# Altium PCB DevKitWRM1470-r1.2.PcbDoc (part 1 of 2) (continued)
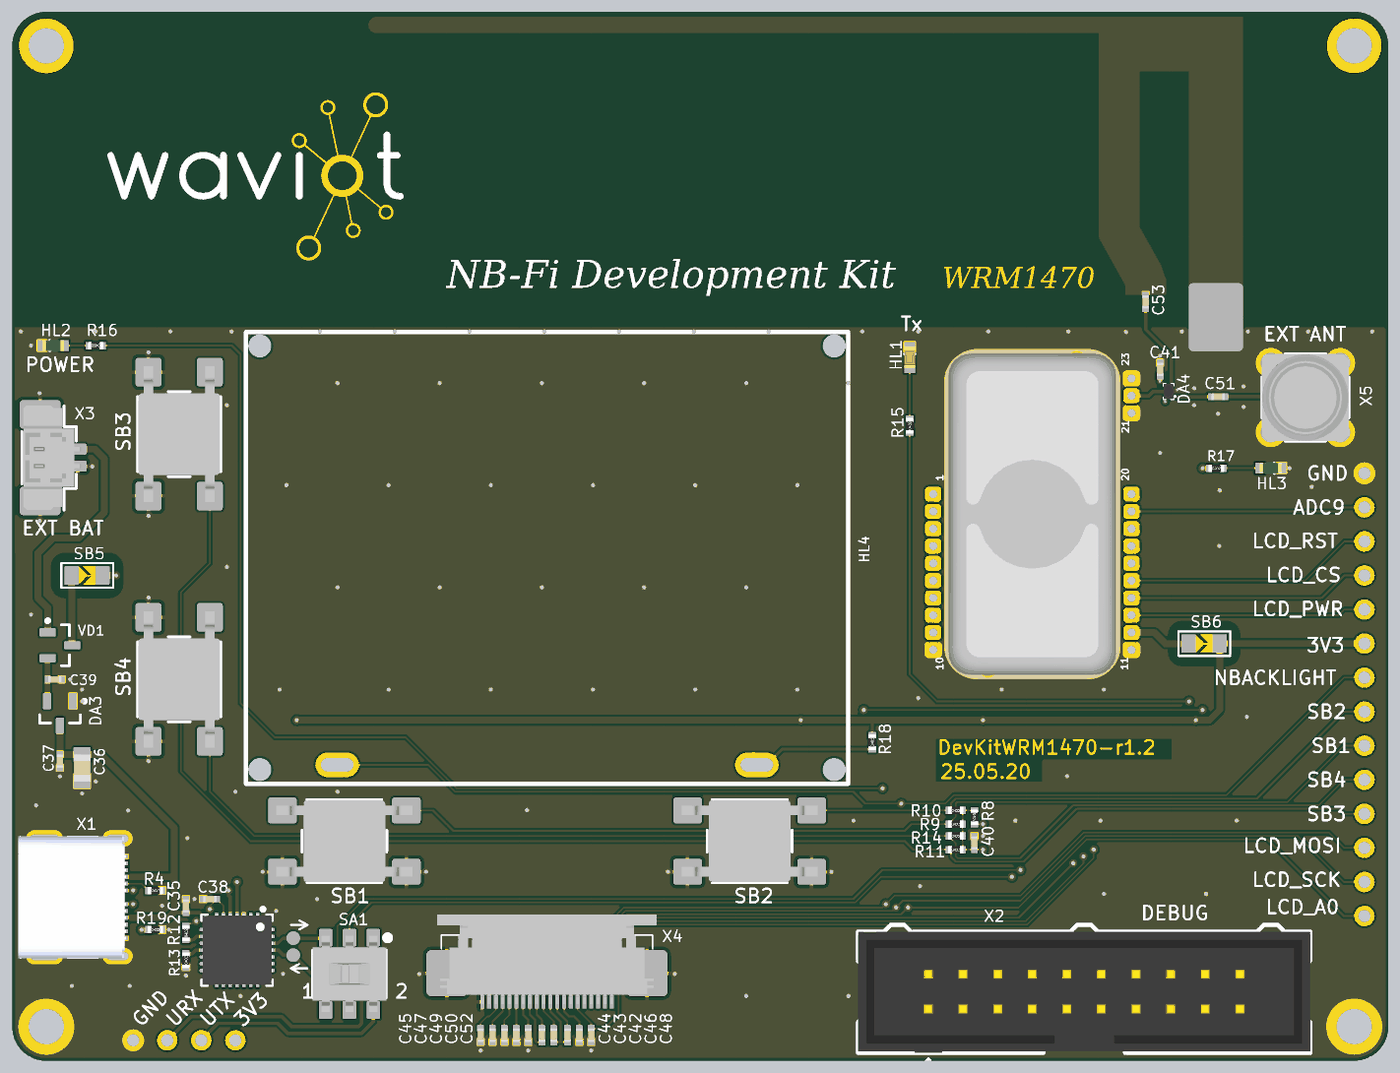
[diagram p5: 3D render of the assembled board from above, using the file's embedded part models]

## Layer stack, top to bottom
Top Solder: solder mask 0.025, SM-004, Dk 4
Top Layer: signal copper 0.018
Dielectric 2: prepreg 0.15, PP-018, Dk 4.3
GND: plane copper 0.018, net GND
Dielectric 1: prepreg 1.2, PP-007, Dk 4.2
PWR: signal copper 0.018
Dielectric4: prepreg 0.15, PP-018, Dk 4.3
Bottom Layer: signal copper 0.018
Bottom Solder: solder mask 0.025, SM-004, Dk 4

## Board outline
-50.5,2.5 -50.505,74.501 -50.5,74.501 cw(c-48,74.501) -48,77.001 -48.005,77.001 48,77.001 48,77.007 cw(c48,74.507) 50.5,74.507 50.5,2.506 cw(c48,2.506) 48,0.006 48,0 -48,0 cw(c-48,2.5)

## Design rules (kind name [scope] priority, off if disabled: settings)
Clearance ClearanceJMP [InComponent('SB5','SB6')] p1: gap=0.2 ignorepadtopadclearanceinfootprint=FALSE except(1: SMDPad-Poly Poly-Region)
Clearance [All] p2: gap=0.1 ignorepadtopadclearanceinfootprint=FALSE except(0.15: Arc-Fill Arc-Poly Arc-Region Track-Fill Track-Poly Track-Region SMDPad-Fill SMDPad-Poly SMDPad-Region THPad-Fill THPad-Poly THPad-Region Via-Fill Via-Poly Via-Region Fill-Fill Fill-Poly Fill-Region Poly-Poly Poly-Region Region-Region)
HoleSize [All] p1: absolutevalues=TRUE maxlimit=5.08 minlimit=0.2 maxpercent=80.000 minpercent=20.000
MinimumSolderMaskSliver [All] p1: minsoldermaskwidth=0.1
NetAntennae [All] p1: netantennaetolerance=1.27
PlaneClearance [All] p1: clearance=0.2
PlaneConnect [All] p1: pad.planeconnectstyle=Relief pad.reliefexpansion=0.508 pad.reliefentries=4 pad.reliefconductorwidth=0.254 pad.reliefairgap=0.254 via.planeconnectstyle=Direct via.reliefexpansion=0.508 via.reliefentries=4 via.reliefconductorwidth=0.254 via.reliefairgap=0.254
PolygonConnect PolygonConnectRelief [HasFootprint('BH20_PCB','0527462071_PCB','FSM4JSMATR','0533980271_PCB','HDR1X1','BH-20_PCB')] p1: thpad.connectstyle=Relief thpad.reliefconductorwidth=0.254 thpad.reliefentries=4 thpad.polygonreliefangle="90 Angle" thpad.airgapwidth=0.254 smdpad.connectstyle=Relief smdpad.reliefconductorwidth=0.254 smdpad.reliefentries=4 smdpad.polygonreliefangle="90 Angle" smdpad.airgapwidth=0.254 via.connectstyle=Direct via.reliefconductorwidth=0.254 via.reliefentries=4 via.polygonreliefangle="90 Angle" via.airgapwidth=0.254
PolygonConnect [All] p2: connectstyle=Direct reliefconductorwidth=0.254 reliefentries=4 polygonreliefangle="90 Angle" airgapwidth=0.254
RoutingVias [All] p1: holewidth=0.3 width=0.6 viastyle="Through Hole" minholewidth=0.2 minwidth=0.4 maxholewidth=0.711 maxwidth=1.27
SilkToSilkClearance [All] p1: silktosilkclearance=0.05
SilkToSolderMaskClearance [IsPad] p1: minsilkscreentomaskgap=0 clearancetoexposedcopper=TRUE
SolderMaskExpansion [All] p1: expansion=0.05 istentingtop=FALSE useseparateexpansions=TRUE expansionbottom=0.05 istentingbottom=FALSE
Width [All] p1: maxlimit=0.5 minlimit=0.1 preferedwidth=0.125
23 further rules are at their usual default settings.

## Classes and differential pairs
component class "NB-Fi Module": C1 C2 C3 C4 C5 C6 C7 C8 C9 C10 C11 C12 C13 C14 C15 C16 C17 C18 C19 C20 C21 C22 C23 C24 C25 C26 C27 C28 C29 C30 C31 C32 C33 C34 D1 DA1 DA2 DD1 E1 E2 L1 L2 L3 L4 L5 L6 L7 L8 L9 L10 R1 R2 R3 R5 R6 R7 VT1 VT2 XT1 XT2 XT3 XT4 XT5 XT6 XT7 XT8 XT9 XT10 XT11 XT12 XT13 XT14 XT15 XT16 XT17 XT18 XT19 XT20 XT21 XT22 XT23 ZQ1 ZQ2
component class DevKitWRM1470-r1.2: C35 C36 C37 C38 C39 C40 C41 C42 C43 C44 C45 C46 C47 C48 C49 C50 C51 C52 C53 DA3 DA4 DD2 HL1 HL2 HL3 HL4 NT1 R4 R8 R9 R10 R11 R12 R13 R14 R15 R16 R17 R18 R19 SA1 SB1 SB2 SB3 SB4 SB5 SB6 VD1 X1 X2 X3 X4 X5 XT24 XT25 XT26 XT27 XT28 XT29 XT30 XT31 XT32 XT33 XT34 XT35 XT36 XT37 XT38 XT39 XT40 XT41

## Components (designator, comment, footprint, x,y, rotation, side; value= is the part's Value field where it differs from the comment)
C1 "1u 16V" C0402 25.75,37 r0 top
C2 "1u 16V" C0402 25.75,37.875 r0 top
C3 "1000p 50V" C0402 28.125,40 r180 top
C4 "0.1u 25V" C0402 19.625,33 r90 top
C5 "0.1u 25V" C0402 24.375,46.25 r270 top
C6 "4.7u 6.3V" C0402 26.875,34.875 r90 top
C7 "0.1u 25V" C0402 28.125,44.75 r180 top
C8 "0.1u 25V" C0402 26.875,33.125 r270 top
C9 "0.1u 25V" C0402 28.125,42.625 r180 top
C10 "0.1u 25V" C0402 25.5,29.75 r0 top
C11 "0.1u 25V" C0402 25.75,38.75 r0 top
C12 "0.1u 25V" C0402 21.25,29.75 r0 top
C13 "0.1u 25V" C0402 20.125,42.75 r0 top
C14 "0.1u 25V" C0402 19.625,34.875 r270 top
C15 "0.1u 25V" C0402 24.375,38.25 r90 top
C16 "4.7u 6.3V" C0402 22,37.875 r270 top
C17 "0.1u 25V" C0402 20.125,41.875 r0 top
C18 "1.2p 50V" C0402 26.375,45.75 r0 top
C19 "0.1u 25V" C0402 20.125,43.625 r0 top
C20 "20p 50V" C0402 27.5,29.75 r180 top
C21 "20p 50V" C0402 26.875,31.125 r270 top
C22 "100p 50V" C0402 21.75,46.25 r90 top
C23 "2.4p 50V" C0402 27.625,46.625 r0 top
C24 "2.4p 50V" C0402 25.75,47.5 r0 top
C25 "100p 50V" C0402 22.625,46.25 r90 top
C26 "2.4p 50V" C0402 28,48 r90 top
C27 "6.2p 50V" C0402 20.875,50 r270 top
C28 "2.4p 50V" C0402 25.75,48.375 r0 top
C29 "3.6p 50V" C0402 23.5,48.125 r270 top
C30 "2.7p 50V" C0402 22.625,50 r90 top
C31 "0.1u 25V" C0402 20.125,40 r180 top
C32 "100p 50V" C0402 25.75,49.25 r180 top
C33 "100p 50V" C0402 27.875,49.75 r0 top
C34 "0.1u 25V" C0402 25.75,50.125 r180 top
C35 "0.1u 25V" C0402 -37.75,11.375 r270 top
C36 "10u 25V" C0805 -45.375,21.5 r270 top
C37 "0.1u 25V" C0402 -47,22 r90 top
C38 "0.1u 25V" C0402 -36,11.875 r0 top
C39 "0.1u 25V" C0402 -47.375,28 r180 top
C40 "0.1u 25V" C0402 20.125,16 r270 top
C41 "0.1u 25V" C0402 33.75,50.75 r270 top
C42 "1u 16V" C0402 -9.75,1.875 r90 top
C43 "1u 16V" C0402 -10.75,1.875 r90 top
C44 "1u 16V" C0402 -11.625,1.875 r270 top
C45 "1u 16V" C0402 -16.125,1.875 r90 top
C46 "1u 16V" C0402 -8.875,1.875 r90 top
C47 "1u 16V" C0402 -15.25,1.875 r90 top
C48 "1u 16V" C0402 -8,1.875 r90 top
C49 "1u 16V" C0402 -14.375,1.875 r90 top
C50 "1u 16V" C0402 -13.5,1.875 r90 top
C51 "100p 50V" C0402 38,48.75 r0 top
C52 "1u 16V" C0402 -12.625,1.875 r90 top
C53 "3.6p 50V" C0402 32.692,55.709 r90 top
D1 "SWS1470-A0 QFN32" QFN32 24.125,42.25 r0 top
DA1 "NCP502SQ18T2G" SOT323-5 28.5,35.75 r0 top
DA2 "BGS12WN6E6327XTSA1" 6-XFDFN 24,49.75 r90 top
DA3 "AP2210N-3.3TRG1" SOT23-3L -47,25.5 r180 top
DA4 "BGS12WN6E6327XTSA1" 6-XFDFN 34.375,49.125 r180 top
DD1 "STM32L071KBU6" UFQFPN32 23.25,33.375 r180 top locked
DD2 "CP2102-GMR" QFN28 -34,8.125 r270 top
E1 "MS230-10F" MS230-10F 24.375,40.125 r0 top locked
E2 "MS230-10C" MS230-10C 24.375,40.125 r0 top
HL1 "KP-1608SURCK" LED0603_RED 15.375,51.625 r90 top
HL2 "KPH-1608SGD" LED0603_GREEN -47.5,52.5 r180 top
HL3 "KPH-1608SGD" LED0603_GREEN 41.875,43.5 r0 top
HL4 "JHD12864" JHD12864 -11.25,36.925 r0 top locked
L1 "82nH" L0402_LQW 25.75,46.625 r180 top
L2 "82nH" L0402_LQW 28.25,45.75 r180 top
L3 "82nH" L0402_LQW 20.625,45 r270 top
L4 "82nH" L0402_LQW 23.5,46.25 r270 top
L5 "12nH" L0402_LQW 21.75,48.125 r90 top
L6 "8.2nH" L0402_LQW 27.125,48 r90 top
L7 "8.2nH" L0402_LQW 28.875,48 r270 top
L8 "12nH" L0402_LQW 22.625,48.125 r90 top
L9 "12nH" L0402_LQW 21.75,50 r90 top
L10 "12nH" L0402_LQW 24.375,48.125 r90 top
NT1 "Net Tie" NETTIE-5.0x4.0 37.842,54.584 r270 top locked net-tie
R1 "10k 1%" R0402 19.625,31.125 r90 top
R2 "1M 1%" R0402 28.125,41.75 r180 top
R3 "1M 1%" R0402 28.125,40.875 r180 top
R4 "5.1k 1%" R0402 -40,12.5 r0 top
R5 "1k 1%" R0402 23.375,29.75 r0 top
R6 "1R 1%" R0402 20.125,40.875 r180 top
R7 "1k 1%" R0402 19.625,45 r270 top
R8 "10k 1%" R0402 20.125,17.875 r270 top
R9 "100R 1%" R0402 18.75,17.375 r0 top
R10 "3.3k 1%" R0402 18.75,18.375 r0 top
R11 "10k 1%" R0402 18.75,15.5 r0 top
R12 "10k 1%" R0402 -37.75,9.375 r90 top
R13 "10k 1%" R0402 -37.75,7.375 r90 top
R14 "33k 1%" R0402 18.75,16.5 r0 top
R15 "1k 1%" R0402 15.375,46.625 r90 top
R16 "1k 1%" R0402 -44.375,52.5 r180 top
R17 "1k 1%" R0402 37.875,43.5 r0 top
R18 "22R 1%" R0402 12.625,23.375 r90 top
R19 "5.1k 1%" R0402 -40,9.625 r0 top
SA1 "CAS-220TB" CAS-220 -25.75,6.375 r180 top locked
SB1 "FSM4JSMATR" FSM4JSMATR -26.125,16.125 r270 top locked
SB2 "FSM4JSMATR" FSM4JSMATR 3.625,16.125 r270 top locked
SB3 "FSM4JSMATR" FSM4JSMATR -38.25,46 r180 top locked
SB4 "FSM4JSMATR" FSM4JSMATR -38.25,28 r180 top locked
SB5 "Jumper Solder" SB0805 -45,35.625 r0 top
SB6 "Jumper Solder" SB0805 37,30.625 r0 top
VD1 "PMEG2005CT" SOT23-3L -47,30.5 r270 top
VT1 "PMF170XP" SOT323 20.25,37.875 r180 top
VT2 "PDTC143ZE" SOT416 20.125,47.5 r0 top
X1 "1054500101" 1054500101 -46.125,12 r270 top locked
X2 "BH-20" BH-20_PCB 28.177,5.079 r0 top locked
X3 "0533980271" 0533980271_PCB -47.075,44.276 r270 top locked
X4 "0527462071" 0527462071_PCB -11.25,5.375 r180 top locked
X5 "5-1814832-1" 5-1814832-1 44.417,48.684 r0 top locked
XT1 "PA11" PAD-d0.6-x1.1-y1.2 17.1,41.595 r0 top locked
XT2 "PA12" PAD-d0.6-x1.1-y1.2 17.1,40.325 r0 top locked
XT3 "TM3_2" PAD-d0.6-x1.1-y1.2 17.1,39.055 r180 top locked
XT4 "TM3_1" PAD-d0.6-x1.1-y1.2 17.1,37.785 r180 top locked
XT5 "SCL" PAD-d0.6-x1.1-y1.2 17.1,36.515 r180 top locked
XT6 "SDA" PAD-d0.6-x1.1-y1.2 17.1,35.245 r180 top locked
XT7 "WDIO" PAD-d0.6-x1.1-y1.2 17.1,33.975 r0 top locked
XT8 "WCLK" PAD-d0.6-x1.1-y1.2 17.1,32.705 r0 top locked
XT9 "NRST" PAD-d0.6-x1.1-y1.2 17.1,31.435 r180 top locked
XT10 "GND" PAD-d0.6-x1.1-y1.2 17.1,30.165 r180 top locked
XT11 "GND" PAD-d0.6-x1.1-y1.2 31.65,30.165 r0 top locked
XT12 "VCC" PAD-d0.6-x1.1-y1.2 31.65,31.435 r180 top locked
XT13 "PB7" PAD-d0.6-x1.1-y1.2 31.65,32.705 r0 top locked
XT14 "CMP_N" PAD-d0.6-x1.1-y1.2 31.65,33.975 r0 top locked
XT15 "CMP_P" PAD-d0.6-x1.1-y1.2 31.65,35.245 r0 top locked
XT16 "U_TX" PAD-d0.6-x1.1-y1.2 31.65,36.515 r0 top locked
XT17 "U_RX" PAD-d0.6-x1.1-y1.2 31.65,37.785 r0 top locked
XT18 "ADC8" PAD-d0.6-x1.1-y1.2 31.65,39.055 r180 top locked
XT19 "ADC9" PAD-d0.6-x1.1-y1.2 31.65,40.325 r0 top locked
XT20 "RXNEN" PAD-d0.6-x1.1-y1.2 31.65,41.595 r180 top locked
XT21 "GND" PAD-d0.6-x1.1-y1.2 31.65,47.545 r0 top locked
XT22 "ANT" PAD-d0.6-x1.1-y1.2 31.65,48.815 r0 top locked
XT23 "GND" PAD-d0.6-x1.1-y1.2 31.65,50.085 r180 top locked
XT24 "3V3" PAD-d0.9-x1.5-y1.5 -34.125,1.5 r90 top
XT25 "URX" PAD-d0.9-x1.5-y1.5 -39.125,1.5 r90 top
XT26 "UTX" PAD-d0.9-x1.5-y1.5 -36.625,1.5 r90 top
XT27 "GND" PAD-d0.9-x1.5-y1.5 -41.625,1.5 r90 top
XT28 "GND" PAD-d0.9-x1.5-y1.5 48.75,43.125 r180 top
XT29 "ADC9" PAD-d0.9-x1.5-y1.5 48.75,40.625 r180 top
XT30 "LCD_RST" PAD-d0.9-x1.5-y1.5 48.75,38.125 r180 top
XT31 "LCD_PWR" PAD-d0.9-x1.5-y1.5 48.75,33.125 r180 top
XT32 "3V3" PAD-d0.9-x1.5-y1.5 48.75,30.625 r180 top
XT33 "LCD_CS" PAD-d0.9-x1.5-y1.5 48.75,35.625 r180 top
XT34 "NBACKLIGHT" PAD-d0.9-x1.5-y1.5 48.75,28.125 r180 top
XT35 "SB2" PAD-d0.9-x1.5-y1.5 48.75,25.625 r180 top
XT36 "SB1" PAD-d0.9-x1.5-y1.5 48.75,23.125 r180 top
XT37 "SB4" PAD-d0.9-x1.5-y1.5 48.75,20.625 r180 top
XT38 "SB3" PAD-d0.9-x1.5-y1.5 48.75,18.125 r180 top
XT39 "LCD_MOSI" PAD-d0.9-x1.5-y1.5 48.75,15.625 r180 top
XT40 "LCD_SCK" PAD-d0.9-x1.5-y1.5 48.75,13.125 r180 top
XT41 "LCD_A0" PAD-d0.9-x1.5-y1.5 48.75,10.625 r180 top
ZQ1 "26MHz 2ppm" QSMD2.0x1.6x0.7 28.125,38.5 r0 top
ZQ2 "32.768 kHz" QSMD3.2X1.5X0.8 28.375,32.125 r90 top

## Footprints (in the part's own frame and the unit in brackets; to place one, negate y for a bottom-side part, rotate by r counter-clockwise, add the part's x,y. Pads: shape width x height; smd on the part's side, far side on the other; paste and mask are expansions set on the pad)
5-1814832-1 [mm]
  round 2.1 hole 1.5: 1(0,0) 2(-2.54,-2.54) 2(-2.54,2.54) 2(2.54,-2.54) 2(2.54,2.54)
  silkscreen extent -3.2,-3.2 3.2,3.2, body extent -3.2,-3.2 3.2,3.2, height 9.55
6-XFDFN [mm] "QFN, 10-Leads, Body 1,15x1,55mm, Pitch 0,4mm"
  rrect25% 0.2x0.2 smd: 1(-0.2,0.4) 2(-0.2,0) 3(-0.2,-0.4) 4(0.2,-0.4) 5(0.2,0) 6(0.2,0.4)
  silkscreen extent -0.52,-0.57 0.37,0.57, body extent -0.35,-0.55 0.35,0.55, height 0.38
0527462071_PCB [mm] "20POS 0.50MM CONN FFC"
  rrect25% 0.3x1 smd mask+0.05: 1(-4.75,1.05) 2(-4.25,1.05) 3(-3.75,1.05) 4(-3.25,1.05) 5(-2.75,1.05) 6(-2.25,1.05) 7(-1.75,1.05) 8(-1.25,1.05) 9(-0.75,1.05) 10(-0.25,1.05) 11(0.25,1.05) 12(0.75,1.05) 13(1.25,1.05) 14(1.75,1.05) 15(2.25,1.05) 16(2.75,1.05) 17(3.25,1.05) 18(3.75,1.05) 19(4.25,1.05) 20(4.75,1.05)
  rrect25% 3x3.4 smd mask+0.05: 21(-7.35,-1.05) 21(7.35,-1.05)
  silkscreen extent -7.75,-3.85 7.75,0.45, body extent -8.05,-5.37 8.05,1.23, height 2
0533980271_PCB [mm] "SMD 2POS 1.25MM"
  rrect25% 0.8x1.3 smd mask+0.05: 1(-0.625,1.375) 2(0.625,1.375)
  rrect25% 2.1x3 smd mask+0.05: 3(-3.175,-1.375) 3(3.175,-1.375)
  silkscreen extent -3.8,-2.73 3.85,1.28, body extent -3.83,-2.58 3.83,1.62, height 4.6
1054500101 [mm] "CONN RCP USB3.1 TYPEC 24P SMD RA"
  rect 0.3x0.7 smd: A1(-3,3.77) A2(-2.5,3.77) A3(-2,3.77) A4(-1.5,3.77) A5(-1,3.77) A6(-0.5,3.77) A7(0.5,3.77) A8(1,3.77) A9(1.5,3.77) A10(2,3.77) A11(2.5,3.77) A12(3,3.77) B2(2.25,2.47) B3(1.75,2.47) B4(1.25,2.47) B5(0.75,2.47) B6(0.25,2.47) B7(-0.25,2.47) B8(-0.75,2.47) B9(-1.25,2.47) B10(-1.75,2.47) B11(-2.25,2.47)
  rect 1x0.7 smd: B1(3.1,2.47) B12(-3.1,2.47)
  oval 1.1x2.1 hole 0.6 slot 1.6 at 90 deg: S1(-4.32,3.36) S1(4.32,3.36)
  oval 1.1x2.6 hole 0.6 slot 2.1 at 90 deg: S2(-4.32,-2) S2(4.32,-2)
  Top Layer keep-out region: -3.5,-3.773 3.5,-3.773 3.5,1.88 -3.5,1.88
  silkscreen extent -4.47,-3.77 4.47,1.9, body extent -4.47,-3.94 4.47,3.96, height 3.22
BH-20_PCB [mm]
  rrect25% 1.6x1.6 hole 1.02: 1(-11.43,-1.27)
  round 1.6 hole 1.02: 2(-11.43,1.27) 3(-8.89,-1.27) 4(-8.89,1.27) 5(-6.35,-1.27) 6(-6.35,1.27) 7(-3.81,-1.27) 8(-3.81,1.27) 9(-1.27,-1.27) 10(-1.27,1.27) 11(1.27,-1.27) 12(1.27,1.27) 13(3.81,-1.27) 14(3.81,1.27) 15(6.35,-1.27) 16(6.35,1.27) 17(8.89,-1.27) 18(8.89,1.27) 19(11.43,-1.27) 20(11.43,1.27)
  silkscreen extent -16.6,-5.71 16.6,4.9, body extent -16.6,-4.5 16.6,4.4, height 9
C0402 [mm] "Chip Capacitor 0402"
  rrect10% 0.5x0.5 smd: 1(-0.5,0) 2(0.5,0)
  Top Layer pour cut-out: -0.15,0.35 0.15,0.35 0.15,-0.35 -0.15,-0.35
  body extent -0.5,-0.25 0.5,0.25, height 0.5
C0805 [mm] "Chip Capacitor 0805"
  rrect10% 1.1x1.25 smd: 1(-0.975,0) 2(0.975,0)
  Top Layer pour cut-out: -0.4,0.7 0.4,0.7 0.4,-0.7 -0.4,-0.7
  body extent -1,-0.62 1,0.62, height 1
CAS-220 [mm]
  rrect20% 1x1.3 smd: 1(-1.75,-2.65) 2(0,-2.65) 3(1.75,-2.65) 4(-1.75,2.65) 5(0,2.65) 6(1.75,2.65)
  silkscreen extent -3,-2.85 2.7,1.75, body extent -2.7,-2.8 2.7,2.8, height 2.5
FSM4JSMATR [mm]
  rrect20% 1.9x2.1 smd: 1(-2.25,4.55) 2(-2.25,-4.55) 3(2.25,-4.55) 4(2.25,4.55)
  silkscreen extent -3.05,-3.12 3.05,3.12, body extent -3,-5 3,5, height 4.36
JHD12864 [mm]
  oval 3.2x1.8 hole 1 slot 2.4 at 0 deg: A(15.4,-15.2) K(-15.4,-15.2)
  round 0 hole 1.7 unplated: ""(-21.08,-15.55) ""(-21.08,15.55) ""(21.08,-15.55) ""(21.08,15.55)
  silkscreen extent -22.1,-16.6 22.1,16.58, body extent -22.1,-16.6 22.1,16.58, height 4
L0402_LQW [mm] "Chip Inductor 0402"
  rrect10% 0.53x0.55 smd: 1(-0.5,0) 2(0.5,0)
  body extent -0.59,-0.32 0.6,0.32, height 0.65
LED0603_GREEN [mm]
  rrect10% 0.7x0.8 smd mask+0.075: 1(-0.8,0) 2(0.8,0)
  silkscreen extent 0.25,-0.38 0.25,0.38, body extent -0.8,-0.4 0.8,0.4, height 0.39
LED0603_RED [mm]
  rrect10% 0.7x0.8 smd mask+0.075: 1(-0.8,0) 2(0.8,0)
  Top Layer pour cut-out: -0.35,0.55 0.35,0.55 0.35,-0.55 -0.35,-0.55
  silkscreen extent 0.25,-0.38 0.25,0.38, body extent -0.8,-0.4 0.8,0.4, height 0.39
MS230-10C [mm] "RF SHIELD"
  body extent -5.85,-11.5 5.85,11.5, height 3
MS230-10F [mm] "RF SHIELD"
  oval 1.3x1 hole 1 slot 1.3 at 0 deg: 1(-3.25,-11.35) 1(3.25,11.35)
  body extent -6.45,-12.1 6.45,12.1, height 16.85
NETTIE-5.0x4.0 [mm]
  rrect25% 2.8x4 smd mask+0.075: 1(-1.1,0) 2(1.1,0)
PAD-d0.6-x1.1-y1.2 [mm]
  rrect50% 1.2x1.1 / inner rrect50% 1.1x1.1 / far side rrect50% 2x1.1 hole 0.6 mask+0.05: 1(0,0)
PAD-d0.9-x1.5-y1.5 [mm]
  round 1.5 hole 0.9: 1(0,0)
QFN28 [mm] "QFN, 28-Leads, Body 5,00x5,00mm, Pitch 0,50mm, Thermal Pad 3,5x3,5mm"
  rrect50% 0.7x0.25 smd: 1(-2.4,1.5) 2(-2.4,1) 3(-2.4,0.5) 4(-2.4,0) 5(-2.4,-0.5) 6(-2.4,-1) 7(-2.4,-1.5) 15(2.4,-1.5) 16(2.4,-1) 17(2.4,-0.5) 18(2.4,0) 19(2.4,0.5) 20(2.4,1) 21(2.4,1.5)
  rrect50% 0.25x0.7 smd: 8(-1.5,-2.4) 9(-1,-2.4) 10(-0.5,-2.4) 11(0,-2.4) 12(0.5,-2.4) 13(1,-2.4) 14(1.5,-2.4) 22(1.5,2.4) 23(1,2.4) 24(0.5,2.4) 25(0,2.4) 26(-0.5,2.4) 27(-1,2.4) 28(-1.5,2.4)
  rrect5% 2x2 smd mask+0.05: 29(0,0)
  Top Layer region: -1.75,1.5 -1.5,1.75 1.7,1.75 1.75,1.7 1.75,-1.7 1.7,-1.75 -1.7,-1.75 -1.75,-1.7
  silkscreen extent -3.12,-2.6 2.6,2.6, body extent -2.6,-2.6 2.6,2.6, height 1
QFN32 [mm] "QFN, 32-Leads, Body 5,00x5,00mm, Pitch 0,50mm, Thermal Pad 3,5x3,5mm"
  rrect50% 0.7x0.25 smd: 1(-2.4,1.75) 2(-2.4,1.25) 3(-2.4,0.75) 4(-2.4,0.25) 5(-2.4,-0.25) 6(-2.4,-0.75) 7(-2.4,-1.25) 8(-2.4,-1.75) 17(2.4,-1.75) 18(2.4,-1.25) 19(2.4,-0.75) 20(2.4,-0.25) 21(2.4,0.25) 22(2.4,0.75) 23(2.4,1.25) 24(2.4,1.75)
  rrect50% 0.25x0.7 smd: 9(-1.75,-2.4) 10(-1.25,-2.4) 11(-0.75,-2.4) 12(-0.25,-2.4) 13(0.25,-2.4) 14(0.75,-2.4) 15(1.25,-2.4) 16(1.75,-2.4) 25(1.75,2.4) 26(1.25,2.4) 27(0.75,2.4) 28(0.25,2.4) 29(-0.25,2.4) 30(-0.75,2.4) 31(-1.25,2.4) 32(-1.75,2.4)
  rrect5% 2x2 smd mask+0.05: 33(0,0)
  Top Layer region: -1.75,1.5 -1.5,1.75 1.7,1.75 1.75,1.7 1.75,-1.7 1.7,-1.75 -1.7,-1.75 -1.75,-1.7
  silkscreen extent -3.17,-2.6 2.6,2.6, body extent -2.5,-2.5 2.5,2.5, height 0.94
QSMD2.0x1.6x0.7 [mm]
  rrect25% 0.95x0.8 smd: 1(-0.675,-0.525) 2(0.675,-0.525) 3(0.675,0.525) 4(-0.675,0.525)
  silkscreen extent -1.15,-1.32 0.08,0.85, body extent -1.05,-0.85 1.05,0.85, height 0.56
QSMD3.2X1.5X0.8 [mm]
  rrect25% 1x1.8 smd: 1(-1.25,0) 3(1.25,0)
  silkscreen extent -0.6,-0.9 0.6,0.9, body extent -1.6,-0.75 1.6,0.75, height 0.71
R0402 [mm] "Chip Resistor 0402"
  rrect10% 0.5x0.55 smd: 1(-0.5,0) 2(0.5,0)
  Top Layer pour cut-out: -0.15,0.375 0.15,0.375 0.15,-0.375 -0.15,-0.375
  body extent -0.57,-0.27 0.57,0.27, height 0.41
SB0805 [mm] "Solder Jumper 0805"
  rrect10% 1.05x1.35 smd: 1(-1.15,0) 2(1.125,0)
  Top Layer region: -1.6,0.675 -0.625,0.675 0.05,0 -0.625,-0.675 -1.6,-0.675
  Top Layer region: 1.55,0.675 -0.325,0.675 0.35,0 -0.325,-0.675 1.55,-0.675
  silkscreen extent -1.9,-0.9 1.9,0.9
SOT23-3L [mm] "SOT23, 3-Leads, Body 2.9x1.3mm, Pitch 0.95mm, Lead Span 2.5mm, IPC High Density"
  rrect25% 0.6x1.2 smd: 1(-0.95,-0.9) 2(0.95,-0.9) 3(0,0.9)
  silkscreen extent -1.92,-1.02 1.5,0.7, body extent -1.45,-1.4 1.45,1.4, height 1.3
SOT323 [mm] "SOT323, 3-Leads, Body 2,00x2,10mm, Pitch 0,65mm, IPC Medium Density"
  rrect25% 0.55x0.8 smd: 1(-0.65,-1.075) 2(0.65,-1.075) 3(0,1.075)
  silkscreen extent -1.32,-1.17 1.1,0.67, body extent -1.1,-1.15 1.1,1.15, height 1.1
SOT323-5 [mm] "SOT323, 5-Leads, Body 2,00x2,10mm, Pitch 0,65mm, IPC Medium Density"
  rrect25% 0.4x0.8 smd: 1(-0.65,-1.075) 2(0,-1.075) 3(0.65,-1.075) 4(0.65,1.075) 5(-0.65,1.075)
  silkscreen extent -1.25,-1.17 1.1,0.3, body extent -1.1,-1.1 1.1,1.1, height 1.1
SOT416 [mm] "SOT416, 3-Leads, Body 1,60x0,80mm, Pitch 0,50mm"
  rrect25% 0.5x0.6 smd: 1(-0.5,-0.65) 2(0.5,-0.65) 3(0,0.65)
  silkscreen extent -1.07,-0.72 0.85,0.4, body extent -0.8,-0.8 0.8,0.8, height 0.78
UFQFPN32 [mm] "QFN, 32-Leads, Body 5,00x5,00mm, Pitch 0,50mm, Thermal Pad 3,50x3,50mm, IPC Medium Density"
  oval 0.9x0.25 smd: 1(-2.4,1.75) 2(-2.4,1.25) 3(-2.4,0.75) 4(-2.4,0.25) 5(-2.4,-0.25) 6(-2.4,-0.75) 7(-2.4,-1.25) 8(-2.4,-1.75) 17(2.4,-1.75) 18(2.4,-1.25) 19(2.4,-0.75) 20(2.4,-0.25) 21(2.4,0.25) 22(2.4,0.75) 23(2.4,1.25) 24(2.4,1.75)
  oval 0.25x0.9 smd: 9(-1.75,-2.4) 10(-1.25,-2.4) 11(-0.75,-2.4) 12(-0.25,-2.4) 13(0.25,-2.4) 14(0.75,-2.4) 15(1.25,-2.4) 16(1.75,-2.4) 25(1.75,2.4) 26(1.25,2.4) 27(0.75,2.4) 28(0.25,2.4) 29(-0.25,2.4) 30(-0.75,2.4) 31(-1.25,2.4) 32(-1.75,2.4)
  rrect10% 3.5x3.5 smd: 33(0,0)
  silkscreen extent -3.3,-2.7 2.7,2.7, body extent -2.6,-2.6 2.6,2.6, height 0.6

## Part data
C1 C2 C42 C43 C44 C45 C46 C47 C48 C49 C50 C52: library part CC0402KRX5R7BB105, "CAP CER 1UF 16V X5R 0402", PartNumber=CC0402KRX5R7BB105
C3: library part CC0402JRX7R9BB102, "CAP CER 1000PF 50V X7R 0402", PartNumber=CC0402JRX7R9BB102
C4 C5 C7 C8 C9 C10 C11 C12 C13 C14 C15 C17 C19 C31 C34 C35 C37 C38 C39 C40 C41: library part CC0402KRX7R8BB104, "CAP CER 0.1UF 25V X7R 0402", PartNumber=CC0402KRX7R8BB104
C6 C16: library part CC0402KRX5R5BB475, "CAP CER 4.7UF 6.3V X5R 0402", PartNumber=CC0402KRX5R5BB475
C18: library part CC0402BRNPO9BN1R2, "CAP CER 1.2PF 50V C0G/NPO 0402", PartNumber=CC0402BRNPO9BN1R2
C20 C21: library part CC0402JRNPO9BN200, "CAP CER 20PF 50V C0G/NPO 0402", PartNumber=CC0402JRNPO9BN200
C22 C25 C32 C33 C51: library part CC0402JRNPO9BN101, "CAP CER 100PF 50V C0G/NPO 0402", PartNumber=CC0402JRNPO9BN101
C23 C24 C26 C28: library part CC0402BRNPO9BN2R4, "CAP CER 2.4PF 50V NPO 0402", PartNumber=CC0402BRNPO9BN2R4
C27: library part CC0402CRNPO9BN6R2, "CAP CER 6.2PF 50V NPO 0402", PartNumber=CC0402CRNPO9BN6R2
C29 C53: library part CC0402BRNPO9BN3R6, "CAP CER 3.6PF 50V NPO 0402", PartNumber=CC0402BRNPO9BN3R6
C30: library part CC0402BRNPO9BN2R7, "CAP CER 2.7PF 50V C0G/NPO 0402", PartNumber=CC0402BRNPO9BN2R7
C36: library part CL21A106KAFN3NE, "CAP CER 10UF 25V X5R 0805", PartNumber=CL21A106KAFN3NE
D1: "Waviot NB-Fi RF Transceiver QFN32", PartNumber="SWS1470-A0 QFN32"
DA1: "IC REG LINEAR 1.8V 80MA SC88A", PartNumber=NCP502SQ18T2G
DA2 DA4: "RF Switch IC WLAN SPDT 50Ohm PG-TSNP-6-10", PartNumber=BGS12WN6E6327XTSA1
DA3: "IC REG LINEAR 3.3V 300MA SOT23-3", PartNumber=AP2210N-3.3TRG1
DD1: "ARM® Cortex®-M0+ STM32L0 Microcontroller IC 32-Bit 32MHz 128KB (128K x 8) FLASH 32-UFQFPN (5x5)", PartNumber=STM32L071KBU6
DD2: "IC USB-TO-UART BRIDGE 28VQFN", PartNumber=CP2102-GMR
E1: "RF SHLD FRAME 0.461\"X0.906\" SLDR", PartNumber=MS230-10F
E2: "RF SHIELD 0.461\"X0.906\" SNAP FIT", PartNumber=MS230-10C
HL1: "LED Red 0603 1.95V Forward voltage typ.", PartNumber=KP-1608SURCK
HL2 HL3: "Led Green 0603 2.2V Forward voltage typ.", PartNumber=KPH-1608SGD
HL4: "Display Graphical with LED-backlight", PartNumber=JHD12864
L1 L2 L3 L4: library part LQW15AN82NG00D, "FIXED IND 82NH 130MA 2.24 OHM", PartNumber=LQW15AN82NG00D
L5 L8 L9 L10: library part LQW15AN12NG00D, "FIXED IND 12NH 500MA 140 MOHM", PartNumber=LQW15AN12NG00D
L6 L7: library part LQW15AN8N2G00D, "FIXED IND 8.2NH 540MA 140 MOHM", PartNumber=LQW15AN8N2G00D
NT1: library part NT-1, "PCB Net Tie"
R1 R8 R11 R12 R13: library part RC0402FR-0710KL, "RES SMD 10K OHM 1% 1/16W 0402", PartNumber=RC0402FR-0710KL
R2 R3: library part RC0402FR-071ML, "RES SMD 1M OHM 1% 1/16W 0402", PartNumber=RC0402FR-071ML
R4 R19: library part RC0402FR-075K1L, "RES SMD 5.1K OHM 1% 1/16W 0402", PartNumber=RC0402FR-075K1L
R5 R7 R15 R16 R17: library part RC0402FR-071KL, "RES SMD 1K OHM 1% 1/16W 0402", PartNumber=RC0402FR-071KL
R6: library part RC0402FR-071RL, "RES SMD 1 OHM 1% 1/16W 0402", PartNumber=RC0402FR-071RL
R9: library part RC0402FR-07100RL, "RES SMD 100 OHM 1% 1/16W 0402", PartNumber=RC0402FR-07100RL
R10: library part RC0402FR-073K3L, "RES SMD 3.3K OHM 1% 1/16W 0402", PartNumber=RC0402FR-073K3L
R14: library part RC0402FR-0733KL, "RES SMD 33K OHM 1% 1/16W 0402", PartNumber=RC0402FR-0733KL
R18: library part RC0402FR-0722RL, "RES SMD 22 OHM 1% 1/16W 0402", PartNumber=RC0402FR-0722RL
SA1: "SWITCH SLIDE DPDT 100MA 6V", PartNumber=CAS-220TB
SB1 SB2 SB3 SB4: "SWITCH TACTILE SPST-NO 0.05A 24V", PartNumber=FSM4JSMATR
SB5 SB6: library part JS_0805, "Jumper Solder 0805"
VD1: "DIODE ARRAY SCHOTTKY 20V SOT23", PartNumber=PMEG2005CT
VT1: "MOSFET P-CH 20V 1A SOT323", PartNumber=PMF170XP
VT2: "SMALL SIGNAL BIPOLAR TRANSISTOR", PartNumber=PDTC143ZE
X1: "CONN RCP USB3.1 TYPEC 24P SMD RA", ComponentLink1Description=Datasheet, ComponentLink1URL=https://www.molex.com/pdm_docs/ps/PS-105448-001.pdf, ComponentLink2Description=Drawing, ComponentLink2URL=https://www.molex.com/pdm_docs/sd/1054500101_sd.pdf, PartNumber=1054500101
X2: "CONN MALE 20POS 2.54 (IDC-20MS)", PartNumber=BH-20
X3: "CONN HEADER SMD 2POS 1.25MM", PartNumber=0533980271
X4: "CONN FFC BOTTOM 20POS 0.50MM R/A", PartNumber=0527462071
X5: "CONN SMA JACK STR 50 OHM PCB", PartNumber=5-1814832-1
XT1 XT2 XT3 XT4 XT5 XT6 XT7 XT8 XT9 XT10 XT11 XT12 XT13 XT14 XT15 XT16 XT17 XT18 XT19 XT20 XT21 XT22 XT23 XT24 XT25 XT26 XT27 XT28 XT29 XT30 XT31 XT32 XT33 XT34 XT35 XT36 XT37 XT38 XT39 XT40 XT41: library part PIN
ZQ1: library part NT2016SA-26.000000MHZ-NBG2, "TCXO Oscillator 4-pin", PartNumber=NT2016SA-26.000000MHZ-NBG2
ZQ2: library part NX3215SA-32.768K-EXS00A, "CRYSTAL 32.768KHZ 12.5PF SMD", PartNumber=NX3215SA-32.768K-EXS00A

## Free pads (board coordinates)
  round 1 smd mask+0: 1(-29.875,7.75) 1(-29.875,9)

## Via types
v1: diameter 0.6, hole 0.3, Top Layer to Bottom Layer, tented both sides, 173 vias
v2: diameter 0.4, hole 0.2, Top Layer to Bottom Layer, tented both sides, 113 vias
v3: diameter 4, hole 2.6, Top Layer to Bottom Layer, 4 vias

## Nets (pads, with @x,y where several pads share a name; then routed paths per layer and width w, separated by ;. In a path a pad name is that pad's centre, name@x,y a point inside that pad or via, vN(x,y) a via of type N, cw(c..) or ccw(c..) an arc to the next point about the centre after c; other vN are vias at no path point)
+5V: C35.2 C36.1 C37.2 DA3.3 DD2.7 DD2.8 X1.A4 X1.A9 X1.B4 X1.B9 | length 33.5
  Top Layer w0.25: -38.625,10.875 C35.2@-37.75,10.875 -36.725,10.875 -36.375,10.525 ; DD2.8@-36.4,9.625 -36.375,9.625 -36.375,10.525 ; DD2.7@-35.5,10.525 -36.375,10.525
  Top Layer w0.3: X1.B4@-43.655,10.75 -43.125,10.75 -42.875,10.5 X1.A9@-42.375,10.5 ; X1.B9@-43.655,13.25 -43.125,13.25 -42.875,13.5 X1.A4@-42.375,13.5 ; X1.A9@-42.355,10.5 -41.75,10.5 ; X1.A4@-42.355,13.5 -41.75,13.5
  Top Layer w0.5: C37.2@-47,22.475 C36.1@-45.375,22.475 -43.975,22.475 -38.625,17.125 -38.625,10.875 -39,10.5 -41.75,10.5 ; C37.2@-47,22.5 DA3.3@-47,24.6 ; -41.75,13.5 -38.625,13.5
ADC8: C40.2 DD1.14 R8.1 R9.2 R10.2 R11.2 R14.2 XT18.1 | length 57.3
  Top Layer w0.125: R8.1@20.125,18.375 R10.2@19.25,18.375 R9.2@19.25,17.375 R14.2@19.25,16.5 R11.2@19.25,15.5 C40.2@20.125,15.5 v1(20.75,15.5)
  Bottom Layer w0.125: v1(20.75,15.5) 20.75,14.125 22,12.875 29,12.875 35.375,19.25 35.375,38 34.32,39.055 XT18.1@31.65,39.055 ; v2(22.525,36.362) 26.216,36.362 28.909,39.055 XT18.1@31.438,39.055
ADC9: DD1.15 XT19.1 XT29.1 | length 28.6
  Top Layer w0.125: XT19.1@31.65,40.325 46.95,40.325 47.25,40.625 XT29.1@48.75,40.625
  Bottom Layer w0.125: v2(22,36.375) 22,36.625 22.125,36.75 22.75,36.75 22.888,36.612 26.112,36.612 29.825,40.325 XT19.1@31.438,40.325
ANT_PCB: C53.2 NT1.1
CHIP_IRQ: D1.8 DD1.18 | length 7.1
  Top Layer w0.125: v2(20.25,38.25) 21.187,38.25 21.437,38.5 21.437,39.563 21.75,39.875 21.75,40.475 D1.8@21.725,40.5
  PWR w0.125: v2(20.25,34.625) v2(20.25,38.25)
CHIP_NPWR: DD1.28 R5.1 | length 1.2
  Top Layer w0.125: R5.1@23,29.75 DD1.28@23,30.975
CHIPVCC: C1.2 C5.2 C7.2 C9.2 C11.2 C13.2 C16.2 C34.2 D1.3 D1.4 D1.15 D1.19 D1.20 D1.21 D1.25 D1.28 DA1.1 DA1.3 DA2.4 R2.2 R7.2 VT1.3 | length 51.8
  Top Layer w0.125: R7.2@19.625,44.5 19.65,44.5 20.125,44.025 20.125,43.187 20.25,43.062 v2(20.25,42.75) ; R2.2@27.625,41.75 C9.2@27.625,42.625
  Top Layer w0.2: D1.4@21.725,42.5 21.125,42.5 21,42.625 20.75,42.625 C13.2@20.625,42.75 20.75,42.875 21,42.875 21.125,43 D1.3@21.725,43 ; D1.28@24.375,44.65 C5.2@24.375,45.75 ; DA2.4@24.4,49.95 24.575,50.125 C34.2@25.25,50.125 ; D1.15@25.375,39.85 25.375,39.396 25.521,39.25 26.125,39.25 26.25,39.125 C11.2@26.25,38.75 ; D1.25@25.875,44.75 C7.2@27.625,44.75 ; C1.2@26.25,37 27.85,35.4 ; D1.19@26.525,41.5 27,41.5 27.125,41.625 27.125,42 ; D1.20@26.525,42 27.125,42 ; D1.21@26.525,42.5 27.125,42.5 ; C9.2@27.625,42.625 27.5,42.5 27.125,42.5 ; DA1.1@27.85,34.675 27.85,35.4 ; DA1.3@29.125,34.5 29.125,35.438 28.938,35.625 28.075,35.625 27.85,35.4 ; 27.125,42 27.125,42.5
  Top Layer w0.25: VT1.3@20.25,36.8 21.425,36.8 21.875,37.25 C16.2@22,37.375
  PWR w0.25: v2(20.25,42.75) 21.5,42.75 ; v2(22,37.75) 21.5,38.25 21.5,39.75 ; v2(24.375,46.125) 24,45.75 22.25,45.75 21.5,45 21.5,42.75 ; v2(25.875,37) v2(25.875,38.75) 25.875,39.75 ; v2(28,44.75) 28,40.687 27.062,39.75 25.875,39.75 ; 21.5,39.75 25.875,39.75 ; 21.5,39.75 21.5,42.75
  Bottom Layer w0.125: v2(24.375,46.125) 24.813,46.563 24.813,49.312 v2(25.625,50.125)
  other v2: 28,42.625
COMP1_INM: DD1.6 X4.1 XT14.1 XT33.1 | length 89.6
  Top Layer w0.125: X4.1@-6.525,4.3 -6.525,8.85 -5.125,10.25 23.875,10.25 28.125,14.5 v1(28.125,15) ; XT14.1@31.65,33.975 45.612,33.975 47.262,35.625 XT33.1@48.75,35.625
  Bottom Layer w0.125: v2(26.25,34.125) 26.375,34.125 27,34.75 27.75,34.75 28.125,34.375 29.125,34.375 29.525,33.975 XT14.1@31.425,33.975 ; v1(28.125,15) 29.113,15 ; 29.125,15 33.875,19.75 33.875,33.75 33.65,33.975 XT14.1@31.65,33.975
COMP1_INP: DD1.7 X4.2 XT15.1 XT30.1 | length 92.1
  Top Layer w0.125: X4.2@-7,4.325 -7,8.75 -5.25,10.5 23.375,10.5 v1(27.375,14.5) ; XT15.1@31.65,35.245 44.394,35.245 47.274,38.125 XT30.1@48.75,38.125
  Bottom Layer w0.125: v2(26.25,34.625) 26.5,34.625 26.875,35 27.875,35 28.25,34.625 29.125,34.625 29.745,35.245 XT15.1@31.425,35.245 ; v1(27.375,14.5) 29.125,14.5 34.25,19.625 34.25,34.746 33.751,35.245 XT15.1@31.65,35.245
EXT_ANT_SEL: DA4.6 DD1.21 R17.1 XT1.1 | length 80.3
  Top Layer w0.125: v1(12,25.75) v1(36.875,25.75) ; v2(34.125,48.375) 34.125,48.675 DA4.6@34.175,48.725 ; v1(36.875,43.5) R17.1@37.375,43.5
  PWR w0.125: v2(20.25,33.125) 20.263,33.125 20.75,33.612 20.75,37.5 v2(21.125,37.875)
  Bottom Layer w0.125: v1(12,25.75) 12,37.625 15.97,41.595 XT1.1@17.1,41.595 ; XT1.1@17.313,41.595 19.155,41.595 19.375,41.375 20.5,41.375 21.125,40.75 v2(21.125,37.875) ; v2(34.125,48.375) 36.875,45.625 v1(36.875,25.75)